# Altium PCB norbi_lm.PcbDoc (part 3 of 5)
Units mm, origin at the board's own origin, x right, y up, seen from the top; angles counter-clockwise.
Board outline 96.04 x 102.67 mm, 6 copper layers (Top Layer, Power Layer, Signal Layer 1, GND Plane, Signal Layer 2, Bottom Layer), stack 1.48 mm thick; 451 components, 338 nets, 1877 pads, 1157 vias.
Unrouted connection lines stored in the file: 161.
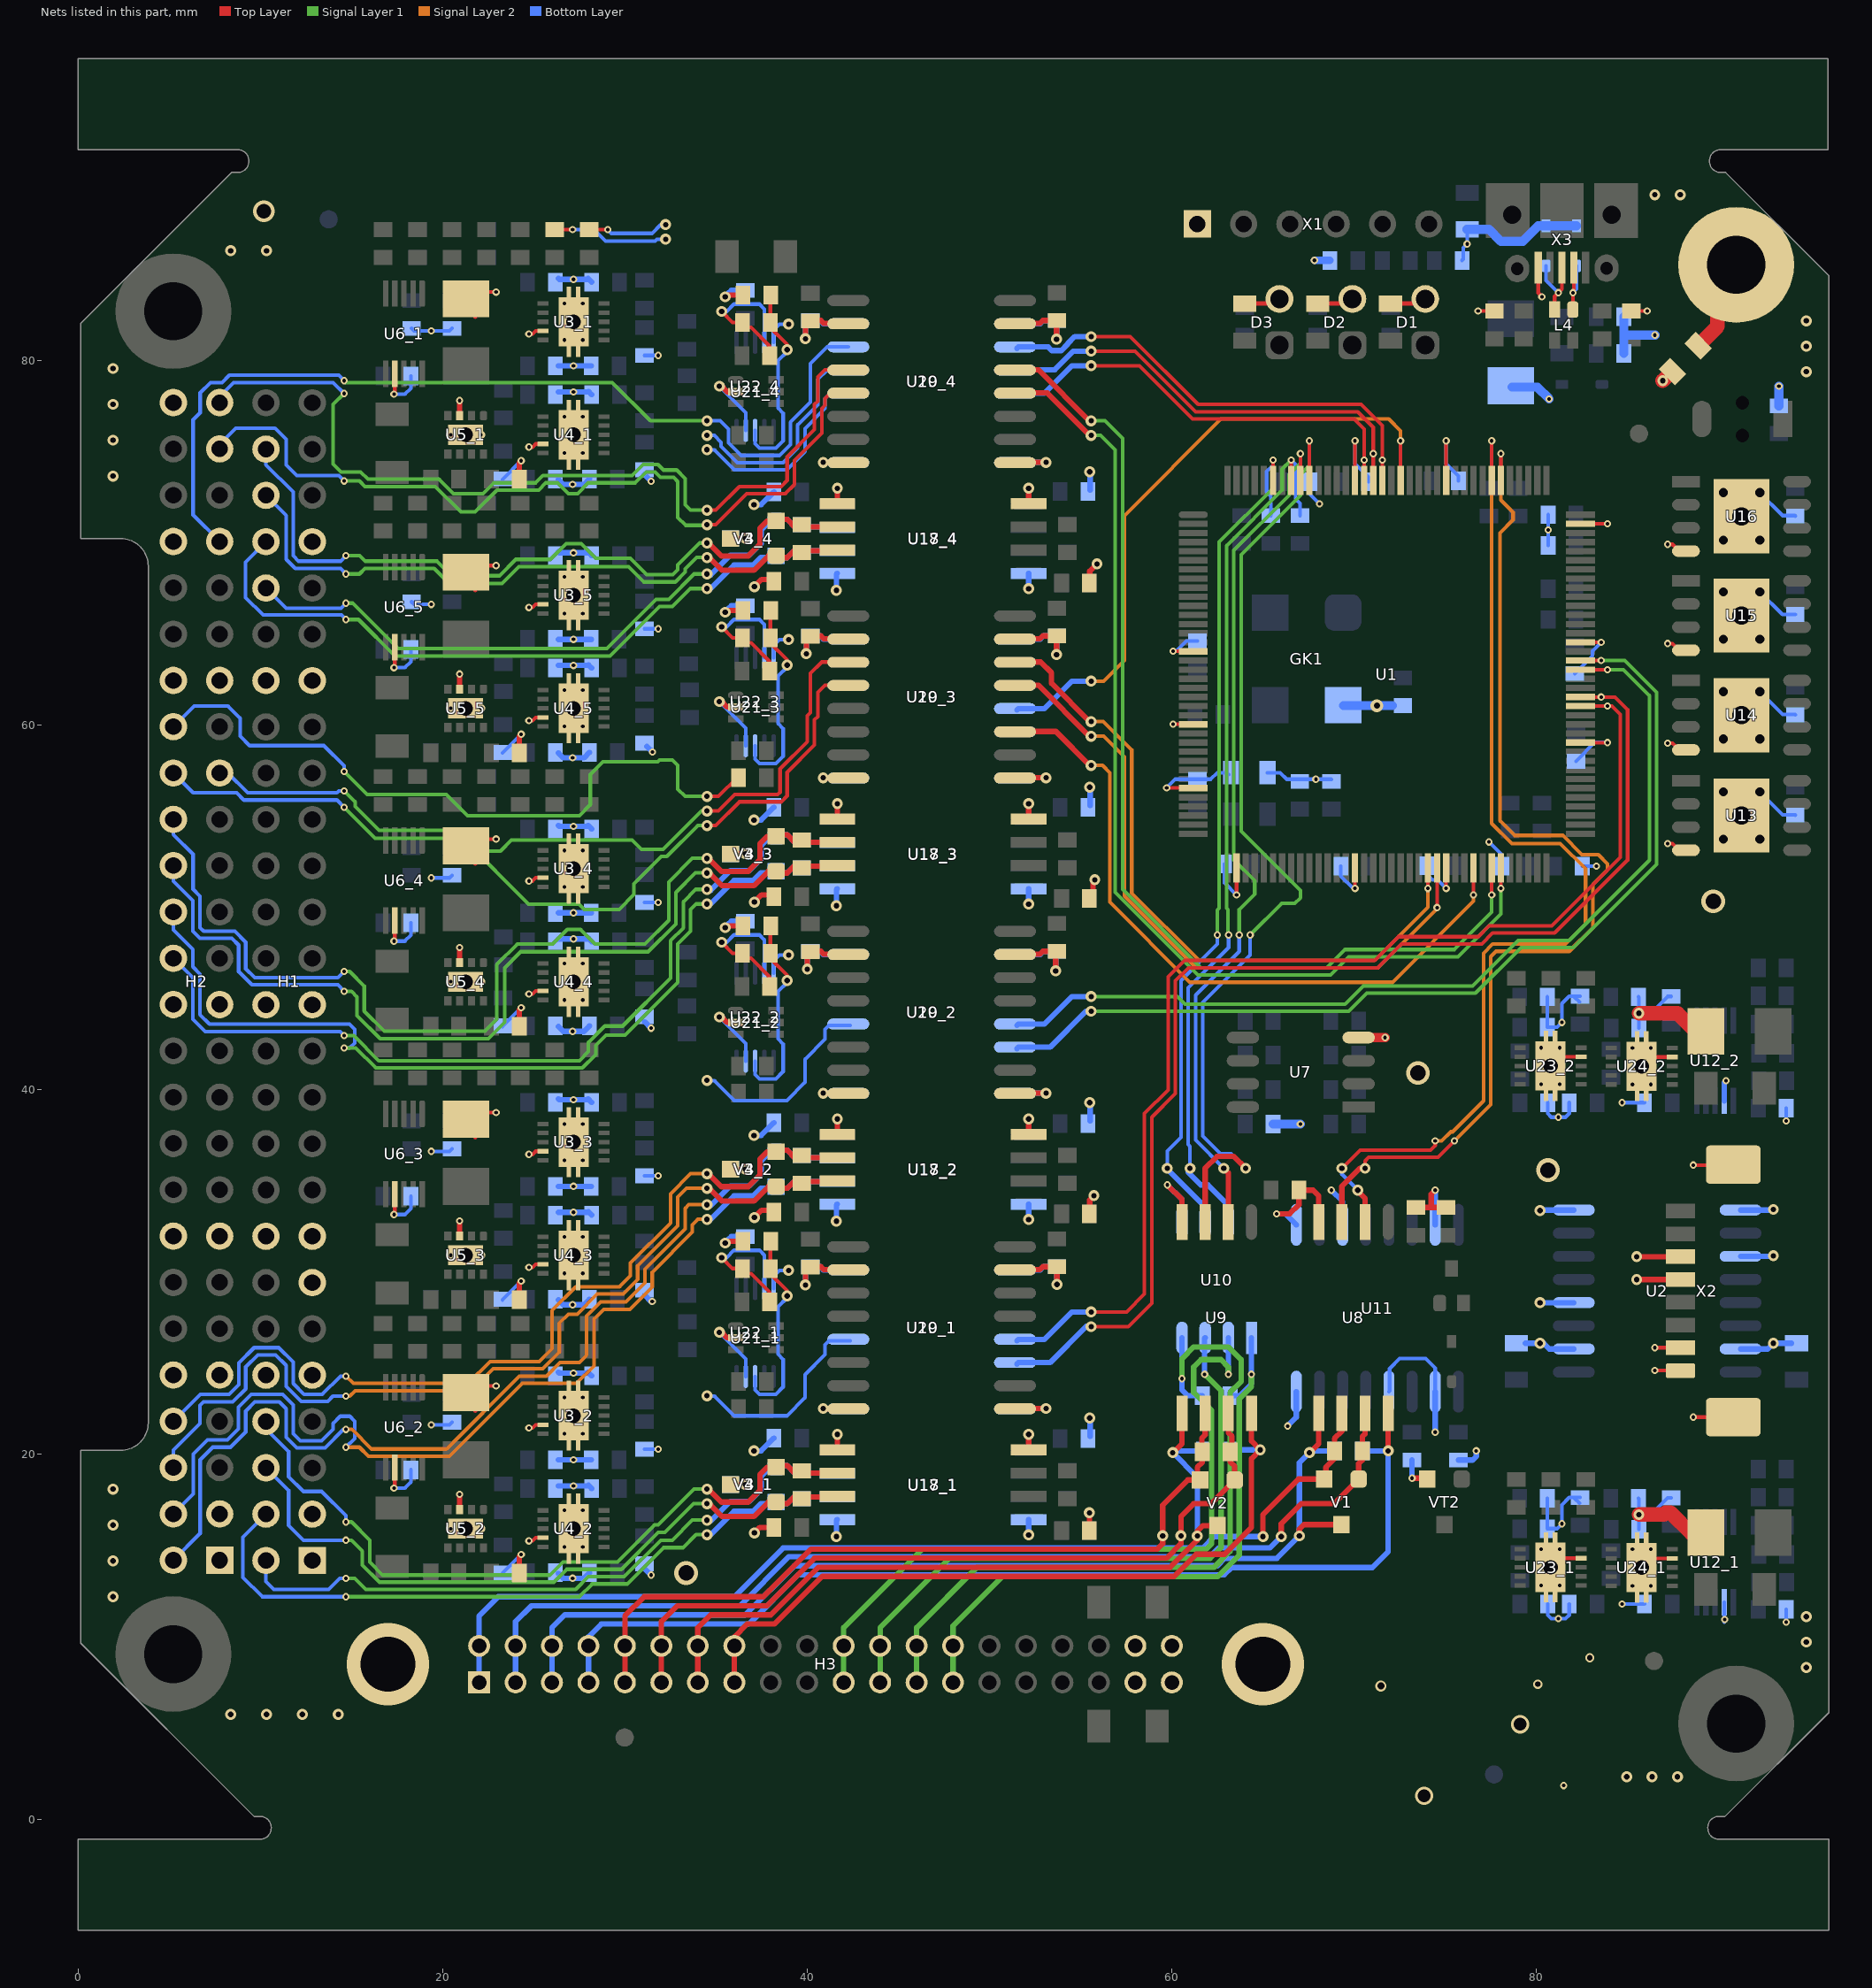
[diagram p7: the nets of this part, all layers, seen from the top]

## Via types
v1: diameter 0.4, hole 0.2, Top Layer to Bottom Layer, tented both sides, 743 vias
v2: diameter 0.6, hole 0.3, Top Layer to Bottom Layer, 348 vias
v3: diameter 0.6, hole 0.6, Top Layer to Bottom Layer, 16 vias
v4: diameter 0.7, hole 0.4, Top Layer to Bottom Layer, 16 vias
v5: diameter 0.5, hole 0.2, Top Layer to Bottom Layer, 10 vias
v6: diameter 0.7, hole 0.35, Top Layer to Bottom Layer, 7 vias
v7: diameter 1.1, hole 0.8, Top Layer to Bottom Layer, 5 vias
v8: diameter 1.3, hole 0.85, Top Layer to Bottom Layer, 4 vias
v9: diameter 1, hole 0.7, Top Layer to Bottom Layer, 2 vias
v10: diameter 0.5, hole 0.3, Top Layer to Bottom Layer, 2 vias
v11: diameter 4.5, hole 3, Top Layer to Bottom Layer, 2 vias
v12: diameter 0.6, hole 0.4, Top Layer to Bottom Layer, 1 vias
v13: diameter 1.2, hole 0.8, Top Layer to Bottom Layer, 1 vias

## Nets (pads, with @x,y where several pads share a name; then routed paths per layer and width w, separated by ;. In a path a pad name is that pad's centre, name@x,y a point inside that pad or via, vN(x,y) a via of type N, cw(c..) or ccw(c..) an arc to the next point about the centre after c; other vN are vias at no path point) (continued)
C_TM_ERR: U1.64 U20_3.11 | length 38.5
  Top Layer w0.2: v1(76.55,50.7) U1.64@76.55,52.175
  Top Layer w0.3: U20_3.11@51.5,59.54 51.62,59.66 53.64,59.66 v2@55.5,57.8
  Signal Layer 2 w0.2: v2(55.578,57.8) 56.2,57.8 56.6,57.4 56.6,50.303 61.003,45.9 72.1,45.9 76.55,50.35 v1(76.55,50.7)
C_TM_ERR_PL: H2.38 R73_3.1 | length 38.7
  Top Layer w0.2: v2@34.778,56.1 35.131,56.1 R73_3.1@36.19,57.16
  Signal Layer 1 w0.2: v1(14.6,57.461) 15.861,56.2 20.2,56.2 21.365,55.035 27.501,55.035 28.1,55.634 28.1,57.3 28.8,58 31.8,58 31.9,58.1 32.6,58.1 32.9,57.8 32.9,56.5 33.3,56.1 v2(34.5,56.1)
  Bottom Layer w0.2: H2.38@5.23,59.92 6.371,61.061 8.226,61.061 8.9,60.387 8.9,59.4 9.415,58.885 13.49,58.885 14.6,57.775 v1(14.6,57.461)
C_TM_INT: U1.60 U20_3.13 | length 37.5
  Top Layer w0.2: v1(74.55,50) U1.60@74.55,52.175
  Top Layer w0.3: U20_3.13@51.5,62.08 51.62,62.2 52.681,62.2 v2@55.481,59.4
  Signal Layer 2 w0.2: v2(55.578,59.4) 56.26,59.4 57.4,58.26 57.4,50.634 61.334,46.7 71.3,46.7 74.55,49.95 v1(74.55,50)
C_TM_INT_PL: H2.36 U20_3.4 | length 48
  Top Layer w0.2: v2(34.5,54.5) 34.978,54.5 36.278,55.8 38.578,55.8 38.9,56.122 38.9,57.422 40.4,58.922 40.4,60.3 40.578,60.478 40.578,61.8 40.978,62.2 42.23,62.2 U20_3.4@42.35,62.08
  Signal Layer 1 w0.2: v1(14.6,55.5) 16.3,53.8 21.112,53.8 24.722,50.19 27.481,50.19 27.771,49.9 29.684,49.9 30.5,50.716 30.5,51.3 32,52.8 32.3,52.8 34,54.5 v2(34.5,54.5)
  Bottom Layer w0.2: H2.36@5.23,57.38 6.31,56.3 8.7,56.3 9.1,55.9 14.2,55.9 v1(14.6,55.5)
C_TM_PWR_ERR: U1.59 U20_3.14 | length 37.6
  Top Layer w0.2: v1(74.05,51.05) U1.59@74.05,52.175
  Top Layer w0.3: U20_3.14@51.5,63.35 51.62,63.47 52.806,63.47 53.4,62.876 53.4,62.3 v2@55.5,60.2
  Signal Layer 2 w0.2: v2(55.578,60.2) 56.245,60.2 57.8,58.645 57.8,50.8 61.5,47.1 71.125,47.1 74.05,50.025 v1(74.05,51.05)
C_TM_PWR_ERR_PL: H2.35 U20_3.3 | length 43.9
  Top Layer w0.2: v2@34.778,55.3 35.131,55.3 36.031,56.2 38.379,56.2 38.512,56.333 38.512,57.612 40,59.1 40,60.522 40.178,60.7 40.178,62.848 40.8,63.47 42.23,63.47 U20_3.3@42.35,63.35
  Signal Layer 1 w0.2: v1(14.6,56.4) 15.2,55.8 15.2,55.54 16.508,54.232 21.368,54.232 22.5,53.1 23.176,53.1 23.776,53.7 30.4,53.7 30.9,53.2 32.1,53.2 34.2,55.3 v2(34.5,55.3)
  Bottom Layer w0.2: H2.35@7.77,57.38 8.22,57.38 9.3,56.3 14.2,56.3 14.3,56.4 v1(14.6,56.4)
CAN1_GND: C31.1 H3.5 H3.6 U8.5 V1.3 | length 57.4
  Top Layer w0.3: v2(67,15.536) 67,15.9 67.25,16.15 V1.3@69.3,16.15 ; v2@67.65,20.176 68.06,20.586 U8.5@68.06,22.25
  Bottom Layer w0.3: H3.5@26,7.5 H3.6@26,9.5 26,10.5 26.7,11.2 36.6,11.2 39.3,13.9 62.5,13.9 62.9,14.3 65.764,14.3 v2(67,15.536) 67,19.55 v2(67.55,20.1) 67.65,20.2 C31.1@68.926,20.2 C31.1@69.05,20.2
CAN1_H: H3.3 H3.4 R50.2 U8.7 V1.1 | length 56.9
  Top Layer w0.3: v2@66,15.541 66,16.2 67.1,17.3 68.9,17.3 V1.1@70.25,18.65 70.25,19.5 70.45,19.7 R50.2@70.45,20.2 70.45,20.98 70.6,21.13 U8.7@70.6,22.25
  Bottom Layer w0.3: H3.3@24,7.5 24,10.838 24.862,11.7 36.3,11.7 39,14.4 62.088,14.4 62.566,14.878 65.378,14.878 v2(66,15.5)
CAN1_L: H3.1 H3.2 R50.1 U8.6 V1.2 | length 57.8
  Top Layer w0.3: v2@65,15.541 65,16.7 66.95,18.65 V1.2@68.35,18.65 68.45,18.75 68.45,19.3 68.926,19.776 R50.1@68.926,20.2 68.926,20.876 69.33,21.28 U8.6@69.33,22.25
  Bottom Layer w0.3: H3.1@22,7.5 H3.2@22,9.5 22,11.15 23.05,12.2 36,12.2 38.678,14.878 61.7,14.878 62.322,15.5 v2(65,15.5)
CAN1_RX: U1.114 U8.3 | length 59.5
  Top Layer w0.2: v2(70.6,35.7) 70.6,36.1 70.8,36.3 74.6,36.3 v1(75.5,37.2) ; U1.114@78.05,73.425 v1(78.05,74.9)
  Top Layer w0.3: U8.3@69.33,32.75 69.33,34.705 70.325,35.7 v2(70.6,35.7)
  Signal Layer 2 w0.2: v1(75.5,37.2) 77.5,39.2 77.5,47.31 77.79,47.6 81.8,47.6 83.1,48.9 83.1,51.266 83.9,52.066 83.9,52.4 83.4,52.9 82.5,52.9 81.439,53.961 78.8,53.961 78,54.761 78,70.55 78.717,71.267 78.717,71.683 78.05,72.35 v1(78.05,74.9)
CAN1_TX: U1.115 U8.2 | length 59.6
  Top Layer w0.2: v2(69.33,35.7) 70.33,36.7 74.2,36.7 74.45,36.95 v1(74.45,37.2) ; U1.115@77.55,73.425 v1(77.55,75.6)
  Top Layer w0.3: v2@70.2,34.45 70.6,34.05 U8.2@70.6,32.75
  Signal Layer 2 w0.2: v1(74.45,37.2) 74.8,37.2 75.3,37.7 75.4,37.7 77.1,39.4 77.1,47.5 77.6,48 81.588,48 82.7,49.112 82.7,52.123 81.309,53.515 78.65,53.515 77.55,54.615 v1(77.55,75.6)
  Bottom Layer w0.2: v2(69.33,35.7) 69.33,35.37 v2(70.2,34.5)
CAN1_VCC: C31.2 H3.7 H3.8 U8.8 | length 57.2
  Top Layer w0.3: v2(71.87,20.2) U8.8@71.87,22.25
  Bottom Layer w0.3: H3.7@28,7.5 28,10 28.7,10.7 36.8,10.7 39.5,13.4 62.874,13.4 63.274,13.8 71,13.8 71.87,14.67 v2(71.87,20.2) 70.622,20.2 70.598,20.176 C31.2@70.574,20.2
CAN2_GND: C34.1 H3.13 H3.14 U9.5 V2.3 | length 43.1
  Top Layer w0.3: H3.13@34,7.5 H3.14@34,9.5 34,10.5 34.7,11.2 38,11.2 40.614,13.814 59.914,13.814 61.4,15.3 v2(61.4,15.536) 61.4,15.8 61.7,16.1 V2.3@62.5,16.1 ; v2@60.15,20.176 60.56,20.586 U9.5@60.56,22.25
  Bottom Layer w0.3: v2(61.4,15.536) 61.4,18.75 v2(60.05,20.1) 60.15,20.2 C34.1@61.676,20.2
CAN2_H: H3.11 H3.12 R51.2 U9.7 V2.1 | length 42.8
  Top Layer w0.3: H3.11@32,7.5 H3.12@32,9.5 32,10.838 32.862,11.7 37.793,11.7 40.407,14.314 59.707,14.314 60.5,15.107 v2(60.5,15.541) 60.5,16.6 61.2,17.3 62.15,17.3 V2.1@63.45,18.6 ; U9.7@63.1,22.25 63.1,21.2 63.3,21 63.3,20.25 R51.2@63.2,20.15 63.2,19.611 63.45,19.361 63.45,18.8 V2.1@63.3,18.65
CAN2_L: H3.9 H3.10 R51.1 U9.6 V2.2 | length 43.3
  Top Layer w0.3: H3.9@30,7.5 H3.10@30,9.5 30,11.15 31.05,12.2 37.586,12.2 40.2,14.814 59.214,14.814 59.5,15.1 v2(59.5,15.541) 59.5,17.222 60.878,18.6 V2.2@61.55,18.6 ; V2.2@61.4,18.65 61.4,19.3 61.676,19.576 R51.1@61.676,20.15 61.65,20.176 61.65,20.9 61.83,21.08 U9.6@61.83,22.25
CAN2_RX: U1.135 U9.3 | length 54.7
  Top Layer w0.2: U1.135@67.55,73.425 v1(67.55,75.6)
  Top Layer w0.3: U9.3@61.83,32.75 61.83,35.705 62.475,36.35 63.4,36.35 v2(64.05,35.7)
  Signal Layer 1 w0.2: v1(64.3,48.5) 66.03,50.23 66.745,50.23 67.05,50.535 67.05,50.93 63.8,54.18 63.8,69.35 67.05,72.6 67.05,73.75 67.55,74.25 v1(67.55,75.6)
  Signal Layer 2 w0.2: v1(67.55,75.6) v1@67.58,75.57
  Bottom Layer w0.2: v2(64.05,35.7) 63.25,36.5 62.666,36.5 61.7,37.466 61.7,44.8 64.3,47.4 v1(64.3,48.5)
CAN2_TX: U1.136 U9.2 | length 47.7
  Top Layer w0.2: U1.136@67.05,73.425 v1(67.05,74.9)
  Top Layer w0.3: v2(62.85,35.7) 63.1,35.45 U9.2@63.1,32.75
  Signal Layer 1 w0.2: v1(63.7,48.5) 63.7,49.9 64.55,50.75 64.55,51.474 63.4,52.624 63.4,69.59 66.42,72.61 66.42,73.755 67.05,74.385 v1(67.05,74.9)
  Bottom Layer w0.2: v2(62.85,35.7) 61.3,37.25 61.3,45.2 63.7,47.6 v1(63.7,48.5)
CAN2_VCC: C34.2 H3.15 H3.16 U9.8 | length 41.7
  Top Layer w0.3: H3.15@36,7.5 36,10 36.7,10.7 38.207,10.7 40.821,13.314 60.121,13.314 61.336,14.529 62.9,14.529 64.37,15.999 64.37,19.77 v2(64.85,20.25) 64.37,20.73 U9.8@64.37,22.25
  Bottom Layer w0.3: C34.2@63.2,20.25 v2(64.85,20.25)
CAN_H: X2.5 | length 2.4
  Top Layer w0.3: v2(85.5,29.6) X2.5@87.9,29.6
CAN_L: X2.6 | length 2.4
  Top Layer w0.3: v2(85.5,30.85) X2.6@87.9,30.85
"CANH RX_1.1A": H1.6 R72_1.2 U18_1.7 V4_1.1 | length 38.2
  Top Layer w0.3: v2(34.5,17.3) 34.5,17.253 34.553,17.2 34.731,17.2 35.331,16.6 37.075,16.6 37.875,17.4 V4_1.1@38.3,17.4 ; V4_1.1@38.3,17.5 38.5,17.3 38.9,17.3 39.276,17.676 41.616,17.676 U18_1.7@41.65,17.71
  Signal Layer 1 w0.2: v1(14.7,15.3) 15,15.3 15.6,14.7 15.6,13.934 16.534,13 26.1,13 26.8,13.7 29.8,13.7 31.83,15.73 32.189,15.73 33.759,17.3 v2(34.5,17.3)
  Bottom Layer w0.2: H1.6@10.31,19.27 11.18,18.4 11.55,18.03 11.55,16.111 12.361,15.3 v1(14.7,15.3)
"CANH RX_1.1B": H2.6 R72_2.2 U18_2.7 V4_2.1 | length 50.7
  Top Layer w0.3: v2(34.5,34.6) 34.5,34.553 34.553,34.5 34.731,34.5 35.331,33.9 37.075,33.9 37.875,34.7 V4_2.1@38.3,34.7 ; V4_2.1@38.3,34.8 38.5,34.6 38.9,34.6 39.276,34.976 41.616,34.976 U18_2.7@41.65,35.01
  Signal Layer 2 w0.2: v1(14.7,23.2) 14.9,23.2 15.2,23.5 21.58,23.5 22.78,24.7 25.5,24.7 26.4,25.6 26.4,27.2 26.9,27.7 27.38,27.7 28.48,28.8 29.9,28.8 30.7,29.6 30.7,30.35 32.9,32.55 32.9,34.12 33.38,34.6 v2(34.5,34.6)
  Bottom Layer w0.2: H2.6@5.23,19.28 5.23,20.234 6.695,21.698 6.695,22.7 6.882,22.888 8.488,22.888 9.2,23.6 9.2,24.8 9.866,25.466 10.843,25.466 11.42,24.889 11.42,23.737 12.243,22.915 13.695,22.915 13.98,23.2 v1(14.7,23.2) v1@14.8,23.2
"CANH RX_PL1.2": H2.32 R72_3.2 U18_3.7 V4_3.1 | length 50.7
  Top Layer w0.3: v2(34.5,51.9) 34.5,51.853 34.553,51.8 34.731,51.8 35.331,51.2 37.075,51.2 37.875,52 V4_3.1@38.3,52 ; V4_3.1@38.3,52.1 38.5,51.9 38.9,51.9 39.276,52.276 41.616,52.276 U18_3.7@41.65,52.31
  Signal Layer 1 w0.2: v1(14.6,45.4) 15,45.4 15.3,45.1 15.3,44.075 16.575,42.8 22.5,42.8 23.4,43.7 23.4,46.7 24.276,47.576 31.276,47.576 32.8,49.1 32.8,50.828 33.872,51.9 v2(34.5,51.9)
  Bottom Layer w0.2: H2.32@5.23,52.3 5.23,51.454 6.3,50.385 6.3,48.705 6.693,48.312 8.439,48.312 8.812,47.939 8.812,46.487 9.539,45.76 14.251,45.76 v1@14.606,45.406
"CANH RX_PL2": H1.48 R72_4.2 U18_4.7 V4_4.1 | length 37.3
  Top Layer w0.3: v2(34.5,69.2) 34.5,69.153 34.553,69.1 34.731,69.1 35.331,68.5 37.075,68.5 37.875,69.3 V4_4.1@38.3,69.3 ; V4_4.1@38.3,69.4 38.5,69.2 38.9,69.2 39.276,69.576 41.616,69.576 U18_4.7@41.65,69.61
  Signal Layer 1 w0.2: v1(14.7,68.3) 15.434,68.3 15.734,68.6 19.534,68.6 20.35,67.785 23.26,67.785 24.176,68.7 30.2,68.7 31.04,67.86 32.76,67.86 33.3,68.4 33.3,68.57 33.93,69.2 v2(34.5,69.2)
  Bottom Layer w0.2: H1.48@10.31,72.61 11.416,71.504 11.416,69.1 11.916,68.6 14.4,68.6 v1(14.7,68.3)
"CANH TX_1.1A": H1.2 R68_1.2 U17_1.7 V3_1.1 | length 36.6
  Signal Layer 1 w0.2: v1(14.7,13.2) 15.18,13.2 15.78,12.6 27.3,12.6 28,13.3 29.966,13.3 31.966,15.3 32.6,15.3 33.7,16.4 v2(34.5,16.4)
  Bottom Layer w0.2: H1.2@10.31,14.19 10.31,13.037 10.747,12.6 13.751,12.6 14.351,13.2 v1(14.7,13.2)
  Bottom Layer w0.3: v2@34.5,16.353 34.707,16.353 35.785,17.431 36.831,17.431 37.476,18.076 37.476,18.8 37.976,19.3 V3_1.1@38.3,19.3 ; V3_1.1@38.3,19.4 38.9,19.4 39.32,18.98 U17_1.7@41.65,18.98
"CANH TX_1.1B": H2.2 R68_2.2 U17_2.7 V3_2.1 | length 55.9
  Signal Layer 2 w0.2: v1(14.7,21.375) 15.025,21.375 16.1,20.3 20.214,20.3 24.214,24.3 25.7,24.3 26.445,25.045 27.5,25.045 27.9,25.445 27.9,27.6 28.667,28.367 30.047,28.367 31.1,29.42 31.1,30.167 33.3,32.367 33.3,33.5 33.5,33.7 v2(34.5,33.7) v2@34.6,33.6
  Bottom Layer w0.2: H2.2@5.23,14.2 6.7,15.67 6.7,19.7 7.4,20.4 8.362,20.4 9.2,21.238 9.2,22.385 9.703,22.888 11.043,22.888 11.42,22.51 11.42,20.941 12,20.361 13.545,20.361 14.56,21.375 v1(14.7,21.375) v1@14.8,21.375
  Bottom Layer w0.3: v2@34.5,33.653 34.707,33.653 35.785,34.731 36.831,34.731 37.476,35.376 37.476,36.1 37.976,36.6 V3_2.1@38.3,36.6 ; V3_2.1@38.3,36.7 38.9,36.7 39.32,36.28 U17_2.7@41.65,36.28
"CANH TX_PL1.2": H2.28 R68_3.2 U17_3.7 V3_3.1 | length 48.2
  Signal Layer 1 w0.2: v1(14.6,42.975) 15.125,42.975 16.5,41.6 27.5,41.6 28,42.1 28,42.6 28.9,43.5 29.871,43.5 32.5,46.129 32.5,48.185 33.2,48.885 33.2,50.316 33.884,51 v2(34.5,51)
  Bottom Layer w0.2: H2.28@5.23,47.22 6.3,46.15 6.3,43.883 6.983,43.2 14.375,43.2 v1(14.6,42.975) v1@14.7,42.975
  Bottom Layer w0.3: v2@34.5,50.953 34.707,50.953 35.785,52.031 36.831,52.031 37.476,52.676 37.476,53.4 37.976,53.9 V3_3.1@38.3,53.9 ; V3_3.1@38.3,54 38.9,54 39.32,53.58 U17_3.7@41.65,53.58
"CANH TX_PL2": H1.44 R68_4.2 U17_4.7 V3_4.1 | length 36.5
  Signal Layer 1 w0.2: v1(14.7,66.7) 15.066,66.7 17.557,64.209 29.009,64.209 31.7,66.9 32.4,66.9 33.8,68.3 v2(34.5,68.3)
  Bottom Layer w0.2: H1.44@10.31,67.53 11.416,66.424 14.424,66.424 v1(14.7,66.7)
  Bottom Layer w0.3: v2@34.5,68.253 34.707,68.253 35.785,69.331 36.831,69.331 37.476,69.976 37.476,70.7 37.976,71.2 V3_4.1@38.3,71.2 ; V3_4.1@38.3,71.3 38.9,71.3 39.32,70.88 U17_4.7@41.65,70.88
"CANL RX_1.1A": H1.8 R72_1.1 U18_1.6 V4_1.2 | length 40.6
  Top Layer w0.3: v2@34.453,18 34.5,18.047 34.631,18.047 35.29,17.388 36.766,17.388 37.4,18.022 37.4,18.9 37.8,19.3 V4_1.2@38.3,19.3 ; V4_1.2@38.3,19.4 38.9,19.4 39.32,18.98 U18_1.6@41.65,18.98
  Signal Layer 1 w0.2: v1(14.7,16.3) 15,16.3 16,15.3 16,14.1 16.715,13.385 25.89,13.385 26.605,14.1 29.588,14.1 31.621,16.133 31.833,16.133 33.8,18.1 v2(34.5,18.1)
  Bottom Layer w0.2: H1.8@10.31,21.81 10.31,21.415 11.55,20.175 11.55,18.785 12.362,17.973 13.369,17.973 14.7,16.642 v1(14.7,16.3)
"CANL RX_1.1B": H2.8 R72_2.1 U18_2.6 V4_2.2 | length 51
  Top Layer w0.3: v2@34.453,35.3 34.5,35.347 34.631,35.347 35.29,34.688 36.766,34.688 37.4,35.322 37.4,36.2 37.8,36.6 V4_2.2@38.3,36.6 ; V4_2.2@38.3,36.7 38.9,36.7 39.32,36.28 U18_2.6@41.65,36.28
  Signal Layer 2 w0.2: v1(14.7,24.3) 15.1,23.9 21.4,23.9 22.6,25.1 25.3,25.1 26,25.8 26,27.9 27.3,29.2 29.7,29.2 30.3,29.8 30.3,30.5 32.5,32.7 32.5,34.3 33.6,35.4 v2(34.5,35.4)
  Bottom Layer w0.2: H2.8@5.23,22.43 H2.8@5.23,21.82 6.705,23.295 8.281,23.295 8.816,23.829 8.816,25.016 9.661,25.861 11.006,25.861 11.8,25.067 11.8,23.895 12.4,23.295 13.395,23.295 14.4,24.3 v1(14.7,24.3) v1@14.8,24.3
"CANL RX_PL1.2": H2.34 R72_3.1 U18_3.6 V4_3.2 | length 55.2
  Top Layer w0.3: v2@34.453,52.6 34.5,52.647 34.631,52.647 35.29,51.988 36.766,51.988 37.4,52.622 37.4,53.5 37.8,53.9 V4_3.2@38.3,53.9 ; V4_3.2@38.3,54 38.9,54 39.32,53.58 U18_3.6@41.65,53.58
  Signal Layer 1 w0.2: v1(14.6,46.5) 14.9,46.5 15.7,45.7 15.7,44.324 16.8,43.224 22.324,43.224 22.976,43.876 22.976,46.876 24.1,48 26.039,48 26.839,48.8 27.566,48.8 28.366,48 31.1,48 32.4,49.3 32.4,51.4 33.7,52.7 34.3,52.7 v2(34.5,52.7)
  Bottom Layer w0.2: H2.34@5.23,54.84 5.23,54.004 6.31,52.924 6.31,51.001 6.695,50.617 6.695,48.9 6.895,48.7 8.6,48.7 9.2,48.1 9.2,46.648 9.7,46.148 14.248,46.148 v1(14.6,46.5)
"CANL RX_PL2": H1.50 R72_4.1 U18_4.6 V4_4.2 | length 41.2
  Top Layer w0.3: v2@34.453,69.9 34.5,69.947 34.631,69.947 35.29,69.288 36.766,69.288 37.4,69.922 37.4,70.8 37.8,71.2 V4_4.2@38.3,71.2 ; V4_4.2@38.3,71.3 38.9,71.3 39.32,70.88 U18_4.6@41.65,70.88
  Signal Layer 1 w0.2: v1(14.7,69.3) 15.455,69.3 15.755,69 19.7,69 20.5,68.2 23.11,68.2 24.01,69.1 25.9,69.1 26.77,69.97 27.601,69.97 28.41,69.161 30.305,69.161 31.196,68.27 32.636,68.27 32.9,68.534 32.9,68.8 34.1,70 v2(34.5,70)
  Bottom Layer w0.2: H1.50@10.31,75.15 10.31,74.29 11.8,72.8 11.8,69.3 12.1,69 14.4,69 v1(14.7,69.3)
"CANL TX_1.1A": H1.4 R68_1.1 U17_1.6 V3_1.2 | length 39.3
  Signal Layer 1 w0.2: v1(14.7,12.2) 27.5,12.2 28.2,12.9 30.132,12.9 32.121,14.889 33.189,14.889 33.9,15.6 v2(34.5,15.6)
  Bottom Layer w0.2: H1.4@10.31,16.73 9.05,15.47 9.05,13.25 10.1,12.2 v1(14.7,12.2)
  Bottom Layer w0.3: v2(34.5,15.6) 34.7,15.6 35.989,16.889 37.043,16.889 37.454,17.3 38.9,17.3 39.276,17.676 U17_1.6@41.616,17.676
"CANL TX_1.1B": H2.4 R68_2.1 U17_2.6 V3_2.2 | length 54.7
  Signal Layer 2 w0.2: v1(14.7,20.4) 15.434,20.4 15.934,19.9 20.38,19.9 24.38,23.9 27.34,23.9 28.3,24.86 28.3,27.434 28.833,27.967 30.267,27.967 31.5,29.2 31.5,30 33.7,32.2 33.7,32.6 34,32.9 v2(34.5,32.9)
  Bottom Layer w0.2: H2.4@5.23,16.74 6.322,17.832 6.322,20.022 7.1,20.8 8.2,20.8 8.8,21.4 8.8,22.6 9.495,23.295 11.225,23.295 11.8,22.72 11.8,21.144 12.2,20.744 13.369,20.744 14,21.375 14,21.708 14.392,22.1 14.9,22.1 15.175,21.825 15.175,20.875 v1(14.7,20.4)
  Bottom Layer w0.3: v2(34.5,32.9) 34.7,32.9 35.989,34.189 37.043,34.189 37.454,34.6 38.9,34.6 39.276,34.976 U17_2.6@41.616,34.976
"CANL TX_PL1.2": H2.30 R68_3.1 U17_3.6 V3_3.2 | length 50.7
  Signal Layer 1 w0.2: v1(14.6,42.3) 15.234,42.3 16.334,41.2 27.666,41.2 28.4,41.934 28.4,42.434 28.966,43 30,43 32.9,45.9 32.9,48 33.6,48.7 33.6,49.888 33.912,50.2 v2(34.5,50.2)
  Bottom Layer w0.2: H2.30@5.23,49.76 5.23,48.77 6.3,47.7 6.3,46.752 6.695,46.358 6.695,44.129 7.209,43.615 14.885,43.615 15.175,43.325 15.175,42.575 14.9,42.3 v1@14.7,42.3
  Bottom Layer w0.3: v2(34.5,50.2) 34.7,50.2 35.989,51.489 37.043,51.489 37.454,51.9 38.9,51.9 39.276,52.276 U17_3.6@41.616,52.276
"CANL TX_PL2": H1.46 R68_4.1 U17_4.6 V3_4.2 | length 39.7
  Signal Layer 1 w0.2: v1(14.7,65.8) 15.388,65.8 17.388,63.8 29.178,63.8 31.89,66.512 32.612,66.512 33.6,67.5 v2(34.5,67.5)
  Bottom Layer w0.2: H1.46@10.31,70.07 9.19,68.95 9.19,67.01 10.15,66.05 14.45,66.05 v1(14.7,65.8)
  Bottom Layer w0.3: v2(34.5,67.5) 34.7,67.5 35.989,68.789 37.043,68.789 37.454,69.2 38.9,69.2 39.276,69.576 U17_4.6@41.616,69.576
CubeSat_CASE: pad.1@90.96,85.255 R0.1 | length 5.3
  Top Layer w0.8: R0.1@88.874,80.814 89.936,81.876 pad.1@89.936,84.231
  Top Layer w1: pad.1@89.936,84.231 pad.1@90.96,85.255
CURRENT_MON: U1.66 U20_4.13 | length 57.8
  Top Layer w0.2: v1(77.55,50.7) U1.66@77.55,52.175
  Top Layer w0.3: U20_4.13@51.5,79.38 51.62,79.5 52.681,79.5 v2@55.481,76.7
  Signal Layer 1 w0.2: v2(55.578,76.7) 56.333,76.7 57.3,75.733 57.3,51 61.6,46.7 68.5,46.7 69.5,47.7 75.5,47.7 77.55,49.75 v1(77.55,50.7)
CURRENT_MON_PL: H2.51 U20_4.4 | length 49
  Top Layer w0.2: v2(34.5,71.8) 34.978,71.8 36.278,73.1 38.578,73.1 38.9,73.422 38.9,74.722 40.4,76.222 40.4,77.6 40.578,77.778 40.578,79.1 40.978,79.5 42.23,79.5 U20_4.4@42.35,79.38
  Signal Layer 1 w0.2: v1(14.6,78.2) 14,77.6 14,74.32 14.42,73.9 15.5,73.9 15.9,73.5 19.8,73.5 20.6,72.7 22.214,72.7 22.814,73.3 25.103,73.3 25.503,73.7 30.4,73.7 31,74.3 31.814,74.3 32.114,74 32.836,74 33.3,73.536 33.3,72.1 33.6,71.8 v2(34.5,71.8)
  Bottom Layer w0.2: H2.51@7.77,77.7 7.77,78.045 8.525,78.8 14,78.8 v1(14.6,78.2)
D+: D4.1 L4.2 X3.3 | length 4.3
  Top Layer w0.2: L4.2@81.1,82.8 81,82.9 81,83.527 v1(81.2,83.727) 81.4,83.927 X3.3@81.4,85.1
  Bottom Layer w0.2: D4.1@80.525,85.2 80.525,84.402 v1(81.2,83.727)
D-: D5.1 L4.1 X3.2 | length 3.9
  Top Layer w0.2: L4.1@82,82.8 v1(82,83.727) 82.05,83.777 X3.2@82.05,85.1
  Bottom Layer w0.2: v1(82,83.727) 82,83.744 82.2,83.944 D5.1@82.2,85.2
EXT_RESET: U1.127 U19_4.3 | length 25.5
  Top Layer w0.2: v2(55.578,81.32) 57.722,81.32 61.442,77.6 70.383,77.6 71.55,76.433 v1(71.55,74.55) U1.127@71.55,73.425
  Bottom Layer w0.3: U19_4.3@51.5,80.67 51.585,80.755 53.218,80.755 53.418,80.555 53.932,80.555 54.295,80.918 54.295,80.933 54.682,81.32 v2(55.578,81.32)
EXT_RESET_PL: H2.45 U19_4.14 | length 51.3
  Signal Layer 1 w0.2: v1(14.6,78.9) 14.7,78.8 29.3,78.8 31.4,76.7 v2(34.5,76.7)
  Bottom Layer w0.2: H2.45@7.77,70.08 6.31,71.54 6.31,76.752 6.7,77.142 6.7,78.235 7.265,78.8 7.9,78.8 8.3,79.2 14.3,79.2 v1(14.6,78.9) ; v2@34.778,76.7 35.218,76.7 35.678,76.24 35.678,75.5 36.378,74.8 38.478,74.8 39.078,75.4 39.078,76.624 40.178,77.724 40.178,79.846 41.087,80.755 U19_4.14@42.25,80.755
GND: C1.1 C2.1 C3.1 C4.1 C5.1 C6.1 C7.1 C9.1 C10.1 C11.1 C12.1 C13.1 C14.1 C15.1 C16.1 C17.1 C18.1 C19.1 C20.1 C21_1.1 C21_2.1 C21_3.1 C21_4.1 C21_5.1 C22_1.1 C22_2.1 C22_3.1 C22_4.1 C22_5.1 C23_1.1 C23_2.1 C23_3.1 C23_4.1 C23_5.1 C24_1.1 C24_2.1 C24_3.1 C24_4.1 C24_5.1 C25_1.1 C25_2.1 C25_3.1 C25_4.1 C25_5.1 C26_1.1 C26_2.1 C26_3.1 C26_4.1 C26_5.1 C27_1.2 C27_2.2 C27_3.2 C27_4.2 C27_5.2 C28_1.1 C28_2.1 C28_3.1 C28_4.1 C28_5.1 C29_1.1 C29_2.1 C29_3.1 C29_4.1 C29_5.1 C30.1 C32.1 C33.1 C36.1 C37.1 C38_1.1 C38_2.1 C39_1.1 C39_2.1 C40_1.1 C40_2.1 C41_1.1 C41_2.1 C42_1.1 C42_2.1 C43_1.2 C43_2.2 C44_1.1 C44_2.1 C45.1 C46.1 C47.1 C48.1 C49_1.1 C49_2.1 C49_3.1 C49_4.1 C50_1.1 C50_2.1 C50_3.1 C50_4.1 C51_1.1 C51_2.1 C51_3.1 C51_4.1 C52_1.1 C52_2.1 C52_3.1 C52_4.1 C53_1.1 C53_2.1 C53_3.1 C53_4.1 C54_1.1 C54_2.1 C54_3.1 C54_4.1 C55_1.1 C55_2.1 C55_3.1 C55_4.1 C56_1.1 C56_2.1 C56_3.1 C56_4.1 C57_1.1 C57_2.1 C57_3.1 C57_4.1 C58.2 C59.1 C60.1 C61.1 C62.1 D1.2 D2.2 D3.2 D4.2 D5.2 GK1.2 H1.1 H1.3 H1.9 H1.10 H1.13 H1.15 H1.16 H1.25 H1.26 H1.39 H1.40 H1.45 H2.1 H2.3 H2.9 H2.10 H2.15 H2.16 H2.25 H2.26 H2.39 H2.40 H2.46 H2.52 H3.37 H3.38 H3.39 H3.40 L2.2 L5.2 R0.2 R7.1 R19.2 R22_1.2 R22_2.2 R22_3.2 R22_4.2 R22_5.2 R23_1.1 R23_2.1 R23_3.1 R23_4.1 R23_5.1 R24_1.2 R25_1.2 R28_1.2 R28_2.2 R28_3.2 R28_4.2 R28_5.2 R29_1.1 R29_2.1 R29_3.1 R29_4.1 R29_5.1 R37_1.1 R37_2.1 R37_3.1 R37_4.1 R37_5.1 R39_1.1 R39_5.1 R40_1.1 R40_2.1 R40_3.1 R40_4.1 R52.2 R55_1.1 R55_2.1 R56_1.1 R56_2.1 R59_1.1 R59_2.1 R60_1.1 R60_2.1 R77_1.1 R77_2.1 R77_3.1 R77_4.1 U1.16 U1.24 U1.38 U1.51 U1.61 U1.83 U1.94 U1.107 U1.120 U1.130 U2.2 U2.4 U2.8 U2.9 U2.11 U2.15 U3_1.9 U3_1.TP U3_2.9 U3_2.TP U3_3.9 U3_3.TP U3_4.9 U3_4.TP U3_5.9 U3_5.TP U4_1.9 U4_1.TP U4_2.9 U4_2.TP U4_3.9 U4_3.TP U4_4.9 U4_4.TP U4_5.9 U4_5.TP U5_1.3 U5_1.9 U5_2.3 U5_2.9 U5_3.3 U5_3.9 U5_4.3 U5_4.9 U5_5.3 U5_5.9 U6_1.7 U6_2.7 U6_3.7 U6_4.7 U6_5.7 U7.4 U8.4 U9.4 U10.5 U11.2 U11.4 U11.8 U11.9 U11.11 U11.15 U12_1.7 U12_2.7 U13.4 U13.TP U14.4 U14.TP U15.4 U15.TP U16.4 U16.TP U17_1.4 U17_1.5 U17_2.4 U17_2.5 U17_3.4 U17_3.5 U17_4.4 U17_4.5 U18_1.4 U18_1.5 U18_2.4 U18_2.5 U18_3.4 U18_3.5 U18_4.4 U18_4.5 U19_1.2 U19_1.8 U19_1.9 U19_1.15 U19_2.2 U19_2.8 U19_2.9 U19_2.15 U19_3.2 U19_3.8 U19_3.9 U19_3.15 U19_4.2 U19_4.8 U19_4.9 U19_4.15 U20_1.2 U20_1.8 U20_1.9 U20_1.15 U20_2.2 U20_2.8 U20_2.9 U20_2.15 U20_3.2 U20_3.8 U20_3.9 U20_3.15 U20_4.2 U20_4.8 U20_4.9 U20_4.15 U21_1.2 U21_2.2 U21_3.2 U21_4.2 U22_1.5 U22_1.9 U22_2.5 U22_2.9 U22_3.5 U22_3.9 U22_4.5 U22_4.9 U23_1.9 U23_1.TP U23_2.9 U23_2.TP U24_1.9 U24_1.TP U24_2.9 U24_2.TP V3_1.3 V3_2.3 V3_3.3 V3_4.3 V4_1.3 V4_2.3 V4_3.3 V4_4.3 VT2.2 X1.1 X2.1 X2.2 X2.MP X3.5 | length 450.5